# Altium PCB UltraZOhm_CarrierBoard.PcbDoc (part 6 of 12)
Units mm, origin at the board's own origin, x right, y up, seen from the top; angles counter-clockwise.
Board outline 350 x 128 mm, 6 copper layers (Top Layer, L02_GND, L03_Sig, L04_Sig, L05_VCC, Bottom Layer), stack 2.021 mm thick; 851 components, 1243 nets, 4332 pads, 2446 vias.
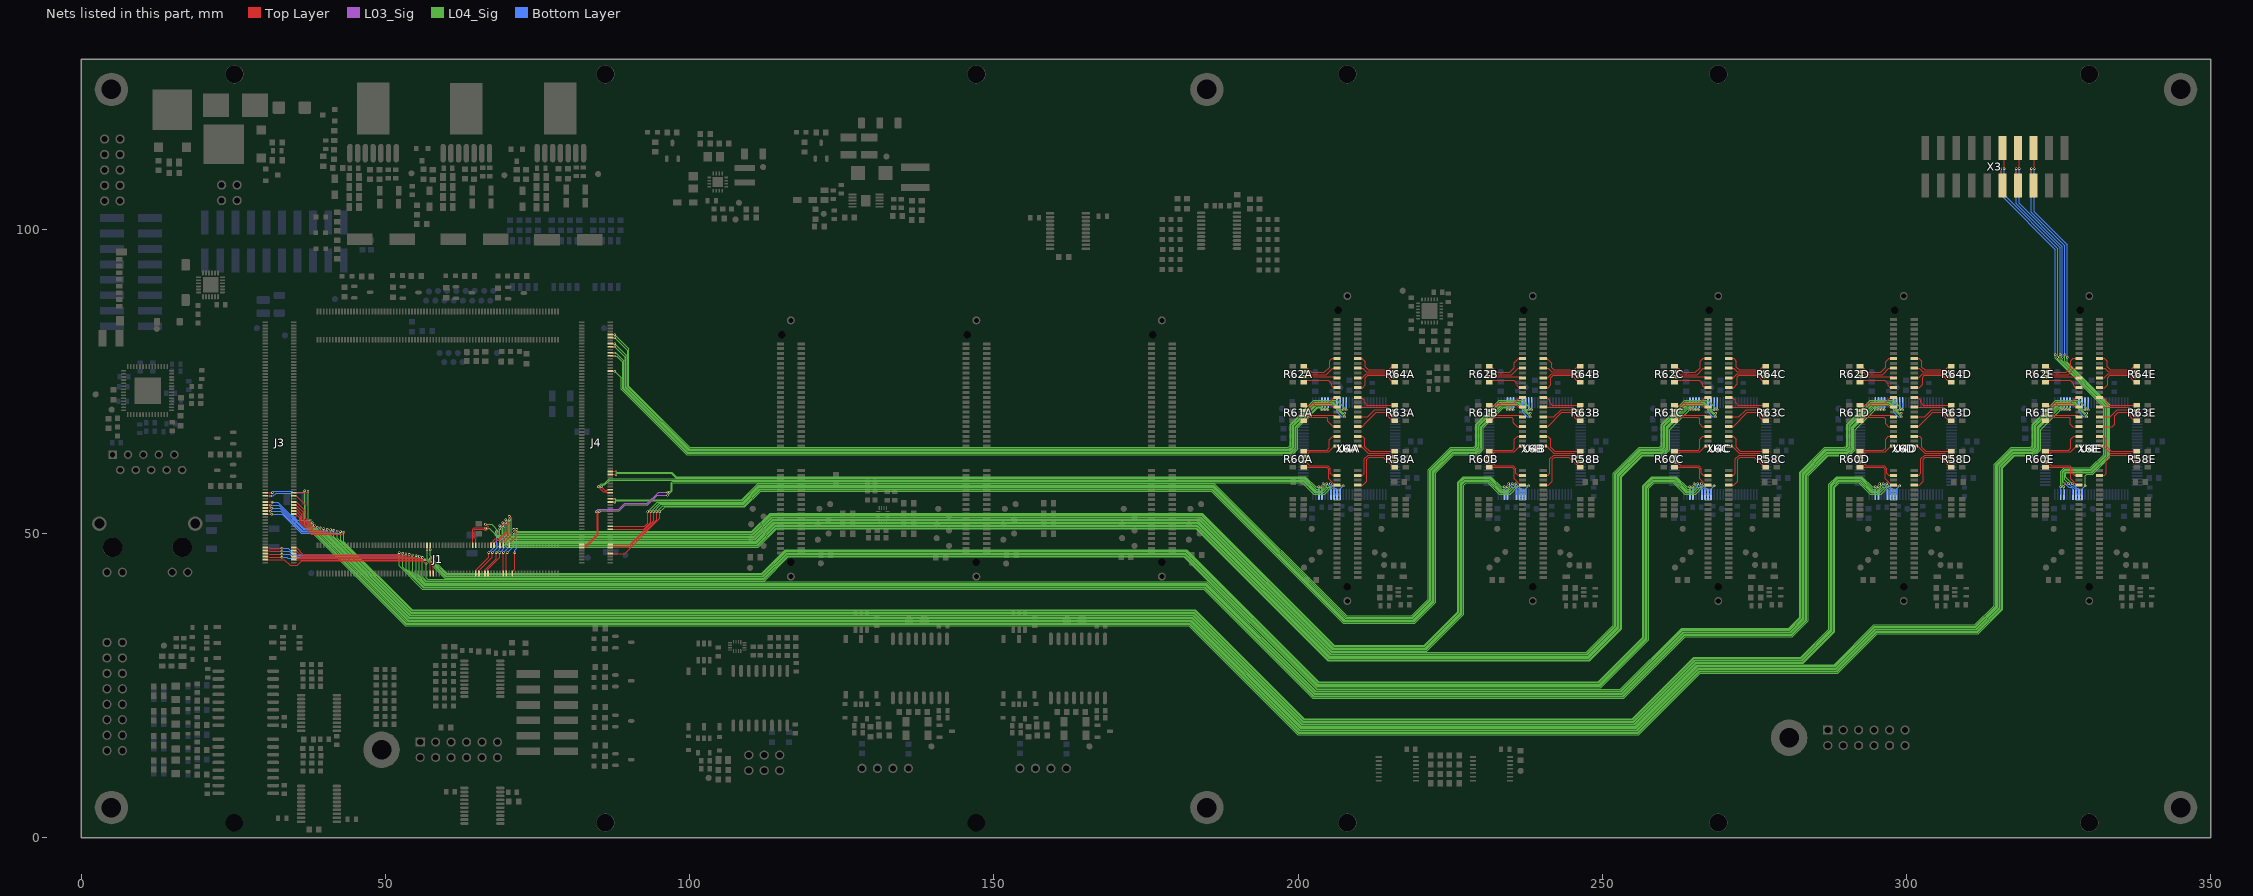
[diagram p10: the nets of this part, all layers, seen from the top]

## Via types
v1: diameter 0.4, hole 0.2, Top Layer to Bottom Layer, tented bottom, 866 vias
v2: diameter 0.4, hole 0.2, Top Layer to Bottom Layer, tented both sides, 783 vias
v3: diameter 0.6, hole 0.3, Top Layer to Bottom Layer, tented both sides, 508 vias
v4: diameter 0.6, hole 0.3, Top Layer to Bottom Layer, tented bottom, 276 vias
v5: diameter 0.5, hole 0.2, Top Layer to Bottom Layer, tented bottom, 5 vias
v6: diameter 0.5, hole 0.3, Top Layer to Bottom Layer, tented bottom, 5 vias
v7: diameter 1, hole 0.5, Top Layer to Bottom Layer, tented bottom, 2 vias
v8: diameter 0.4, hole 0.2, Top Layer to Bottom Layer, 1 vias

## Nets (pads, with @x,y where several pads share a name; then routed paths per layer and width w, separated by ;. In a path a pad name is that pad's centre, name@x,y a point inside that pad or via, vN(x,y) a via of type N, cw(c..) or ccw(c..) an arc to the next point about the centre after c; other vN are vias at no path point) (continued)
DIG_17_CH3: J1.104 U4C.28 | length 249.1
  Top Layer w0.1: J1.104@64.372,48.121 64.372,50.722 64.6,50.95 66.451,50.95 v1(66.472,50.929)
  L04_Sig w0.1: v1(66.472,50.929) 67.041,50.929 68.041,49.929 68.041,49.742 69.983,47.8 111.294,47.8 114.294,50.8 183.183,50.8 204.883,29.1 247.903,29.1 253.2,34.397 253.2,59.347 256.653,62.8 260.06,62.8 261.06,63.8 261.06,67.05 v1(264.36,70.35)
  Bottom Layer w0.1: v1(264.36,70.35) 264.36,71.531 U4C.28@264.367,71.538
DIG_17_CH4: J3.12 U4D.28 | length 313
  Top Layer w0.1: J3.12@30.287,47.736 30.323,47.7 30.9,47.7 31,47.6 v1(33,47.6)
  L04_Sig w0.1: v1@52.3,46.85 52.3,44.7 56.1,40.9 184.503,40.9 202.403,23 253.497,23 263.597,33.1 281.18,33.1 283.8,35.72 283.8,59.52 287.08,62.8 290.54,62.8 291.54,63.8 291.54,67.05 v1(294.84,70.35)
  Bottom Layer w0.1: v1(33,47.6) 34.05,47.6 35.1,46.55 52,46.55 v1@52.325,46.875 ; v1(294.84,70.35) 294.84,71.531 U4D.28@294.847,71.538
  other v1: 52.3,46.9
DIG_17_CH5: J3.48 U4E.28 | length 354
  Top Layer w0.1: J3.48@30.287,56.736 31.436,56.736 v1(31.45,56.75)
  L04_Sig w0.1: v1(36.75,57.05) 36.75,51.4 53.25,34.9 182.018,34.9 199.918,17 255.986,17 266.086,27.1 288.68,27.1 295.18,33.6 311.78,33.6 315.8,37.62 315.8,60.82 317.78,62.8 321.02,62.8 322.02,63.8 322.02,67.05 v1(325.32,70.35)
  Bottom Layer w0.1: v1(31.45,56.75) 31.65,56.95 34.6,56.95 34.75,56.8 36.5,56.8 v1(36.75,57.05) ; v1(325.32,70.35) 325.32,71.531 U4E.28@325.327,71.538
DIG_18_CH1: J4.127 U4A.29 | length 130.3
  Top Layer w0.1: J4.127@86.957,76.736 87.664,76.736 v2(87.7,76.7)
  L04_Sig w0.1: v2(87.7,76.7) 88.8,75.6 88.8,73.749 99.549,63 199,63 199.9,63.9 199.9,67.4 203.2,70.7 203.6,70.7 203.9,70.4 v1(203.9,70.35)
  Bottom Layer w0.1: v1(203.9,70.35) 203.9,71.531 U4A.29@203.907,71.538
DIG_18_CH2: J4.7 U4B.29 | length 191.9
  Top Layer w0.1: J4.7@86.957,46.736 89.336,46.736 95.1,52.5 v1(95.1,53.6)
  L04_Sig w0.1: v1(95.1,53.6) 95.8,54.3 95.9,54.4 109.097,54.4 111.697,57 185.751,57 207.451,35.3 219.197,35.3 222.6,38.703 222.6,60.008 225.592,63 229.48,63 230.38,63.9 230.38,67.4 233.68,70.7 234.08,70.7 234.38,70.4 v1(234.38,70.35)
  Bottom Layer w0.1: v1(234.38,70.35) 234.38,71.531 U4B.29@234.387,71.538
DIG_18_CH3: J1.105 U4C.29 | length 251.6
  Top Layer w0.1: J1.105@64.872,43.451 64.872,44.022 67,46.15 v1(67,46.9)
  L04_Sig w0.1: v1(68.224,50.292) 68.264,50.253 68.264,49.836 70.1,48 111.211,48 114.211,51 183.266,51 204.966,29.3 247.82,29.3 253,34.48 253,59.43 256.57,63 259.96,63 260.86,63.9 260.86,67.4 264.16,70.7 264.56,70.7 264.86,70.4 v1(264.86,70.35)
  Bottom Layer w0.1: v1(67,46.9) 68.3,48.2 68.3,50.25 68.258,50.292 v1(68.224,50.292) ; v1(264.86,70.35) 264.86,71.531 U4C.29@264.867,71.538
DIG_18_CH4: J3.11 U4D.29 | length 309.1
  Top Layer w0.1: J3.11@34.957,47.736 35.364,47.736 36.55,46.55 52.65,46.55 v1@52.875,46.775
  L04_Sig w0.1: v1@52.85,46.75 52.85,44.45 56.2,41.1 184.586,41.1 202.486,23.2 253.414,23.2 263.514,33.3 281.097,33.3 283.6,35.803 283.6,59.603 286.997,63 290.44,63 291.34,63.9 291.34,67.4 294.64,70.7 295.04,70.7 295.34,70.4 v1(295.34,70.35)
  Bottom Layer w0.1: v1(295.34,70.35) 295.34,71.531 U4D.29@295.347,71.538
  other v1: 52.85,46.8
DIG_18_CH5: J3.47 U4E.29 | length 350
  Top Layer w0.1: J3.47@34.957,56.736 34.993,56.7 37.05,56.7 v1(37.3,56.95)
  L04_Sig w0.1: v1(37.3,56.95) 37.3,51.15 40.276,48.174 53.35,35.1 182.101,35.1 200.001,17.2 255.903,17.2 266.003,27.3 288.597,27.3 295.097,33.8 311.697,33.8 315.6,37.703 315.6,60.903 317.697,63 320.92,63 321.82,63.9 321.82,67.4 325.12,70.7 325.52,70.7 325.82,70.4 v1(325.82,70.35)
  Bottom Layer w0.1: v1(325.82,70.35) 325.82,71.531 U4E.29@325.827,71.538
DIG_19_CH1: J4.137 U4A.30 | length 133.3
  Top Layer w0.1: J4.137@86.957,79.236 87.664,79.236 v2(87.7,79.2)
  L04_Sig w0.1: v2(87.7,79.2) 88,79.2 89,78.2 89,73.831 99.631,63.2 198.9,63.2 199.7,64 199.7,67.5 203.1,70.9 203.85,70.9 v1(204.4,70.35)
  Bottom Layer w0.1: v1(204.4,70.35) 204.4,71.531 U4A.30@204.407,71.538
DIG_19_CH2: J4.11 U4B.30 | length 192.2
  Top Layer w0.1: J4.11@86.957,47.736 90.036,47.736 94.6,52.3 v1(94.6,53.6)
  L04_Sig w0.1: v1(94.6,53.6) 95.3,54.3 95.6,54.6 109.014,54.6 111.614,57.2 185.834,57.2 207.534,35.5 219.114,35.5 222.4,38.786 222.4,60.091 225.509,63.2 229.38,63.2 230.18,64 230.18,67.5 233.58,70.9 234.33,70.9 v1(234.88,70.35)
  Bottom Layer w0.1: v1(234.88,70.35) 234.88,71.531 U4B.30@234.887,71.538
DIG_19_CH3: J1.106 U4C.30 | length 252.1
  Top Layer w0.1: J1.106@64.872,48.121 64.872,49.028 64.6,49.3 64.6,50.6 64.7,50.7 66.206,50.7 66.327,50.579 66.617,50.579 66.888,50.85 66.888,51.121 v1(66.446,51.562)
  L04_Sig w0.1: v1(66.446,51.562) 67.449,51.562 68.599,50.412 68.599,49.784 70.183,48.2 111.128,48.2 114.128,51.2 183.349,51.2 205.049,29.5 247.737,29.5 252.8,34.563 252.8,59.513 256.487,63.2 259.86,63.2 260.66,64 260.66,67.5 264.06,70.9 264.81,70.9 v1(265.36,70.35)
  Bottom Layer w0.1: v1(265.36,70.35) 265.36,71.531 U4C.30@265.367,71.538
DIG_19_CH4: J3.10 U4D.30 | length 314.2
  Top Layer w0.1: J3.10@30.287,47.236 30.323,47.2 30.9,47.2 31,47.1 v1(33,47.1)
  L04_Sig w0.1: v1@53.4,46.65 53.4,44.2 56.3,41.3 184.669,41.3 202.569,23.4 253.331,23.4 263.431,33.5 281.014,33.5 283.4,35.886 283.4,59.686 286.914,63.2 290.34,63.2 291.14,64 291.14,67.5 294.54,70.9 295.29,70.9 v1(295.84,70.35)
  Bottom Layer w0.1: v1(33,47.1) 34.25,47.1 35,46.35 53.1,46.35 v1@53.425,46.675 ; v1(295.84,70.35) 295.84,71.531 U4D.30@295.847,71.538
  other v1: 53.4,46.7
DIG_19_CH5: J3.46 U4E.30 | length 354.3
  Top Layer w0.1: J3.46@30.287,56.236 31.114,56.236 v2(31.15,56.2)
  L04_Sig w0.1: v1(37.65,52.25) 37.65,51.1 53.45,35.3 182.183,35.3 200.083,17.4 255.82,17.4 265.92,27.5 288.514,27.5 295.014,34 311.614,34 315.4,37.786 315.4,60.986 317.614,63.2 320.82,63.2 321.62,64 321.62,67.5 325.02,70.9 325.77,70.9 v1(326.32,70.35)
  Bottom Layer w0.1: v2(31.15,56.2) 31.6,56.2 32.06,56.66 34.338,56.66 34.6,56.398 34.6,53.2 35.55,52.25 v1(37.65,52.25) ; v1(326.32,70.35) 326.32,71.531 U4E.30@326.327,71.538
DIG_20_CH1: J4.139 U4A.31 | length 134.1
  Top Layer w0.1: J4.139@86.957,79.736 87.664,79.736 v2(87.7,79.7)
  L04_Sig w0.1: v2(87.7,79.7) 87.9,79.7 89.2,78.4 89.2,73.914 99.714,63.4 198.8,63.4 199.5,64.1 199.5,67.6 203,71.1 204.15,71.1 v2(204.9,70.35)
  Bottom Layer w0.1: v2(204.9,70.35) 204.9,71.531 U4A.31@204.907,71.538
DIG_20_CH2: J4.13 U4B.31 | length 192.8
  Top Layer w0.1: J4.13@86.957,48.236 90.236,48.236 94.1,52.1 v1(94.1,53.6)
  L04_Sig w0.1: v1(94.1,53.6) 95.3,54.8 108.931,54.8 111.531,57.4 185.917,57.4 207.617,35.7 219.031,35.7 222.2,38.869 222.2,60.174 225.426,63.4 229.28,63.4 229.98,64.1 229.98,67.6 233.48,71.1 234.63,71.1 v1(235.38,70.35)
  Bottom Layer w0.1: v1(235.38,70.35) 235.38,71.531 U4B.31@235.387,71.538
DIG_20_CH3: J1.107 U4C.31 | length 252.9
  Top Layer w0.1: J1.107@65.372,43.451 65.372,43.922 67.6,46.15 v1(67.6,46.9)
  L04_Sig w0.1: v1(68.8,50.8) 68.8,49.866 70.266,48.4 111.046,48.4 114.046,51.4 183.432,51.4 205.132,29.7 247.654,29.7 252.6,34.646 252.6,59.595 256.405,63.4 259.76,63.4 260.46,64.1 260.46,67.6 263.96,71.1 265.11,71.1 v1(265.86,70.35)
  Bottom Layer w0.1: v1(67.6,46.9) 68.8,48.1 v1(68.8,50.8) ; v1(265.86,70.35) 265.86,71.531 U4C.31@265.867,71.538
DIG_20_CH4: J3.9 U4D.31 | length 310.1
  Top Layer w0.1: J3.9@34.957,47.236 35.364,47.236 36.25,46.35 53.75,46.35 v1@53.975,46.575
  L04_Sig w0.1: v1@53.95,46.55 53.95,43.933 56.383,41.5 184.751,41.5 202.651,23.6 253.249,23.6 263.349,33.7 280.931,33.7 283.2,35.969 283.2,59.769 286.831,63.4 290.24,63.4 290.94,64.1 290.94,67.6 294.44,71.1 295.59,71.1 v1(296.34,70.35)
  Bottom Layer w0.1: v1(296.34,70.35) 296.34,71.531 U4D.31@296.347,71.538
  other v1: 53.95,46.6
DIG_20_CH5: J3.45 U4E.31 | length 348.9
  Top Layer w0.1: J3.45@34.957,56.236 35.364,56.236 36.9,54.7 36.9,52.5 37.6,51.8 v1(38,51.8)
  L04_Sig w0.1: v1(38,51.8) 38,51.05 53.55,35.5 182.266,35.5 200.166,17.6 255.738,17.6 265.838,27.7 288.431,27.7 294.931,34.2 311.531,34.2 315.2,37.869 315.2,61.069 317.531,63.4 320.72,63.4 321.42,64.1 321.42,67.6 324.92,71.1 326.07,71.1 v1(326.82,70.35)
  Bottom Layer w0.1: v1(326.82,70.35) 326.82,71.531 U4E.31@326.827,71.538
DIG_21_CH1: J4.143 U4A.34 | length 140
  Top Layer w0.1: J4.143@86.957,80.736 87.664,80.736 v2(87.7,80.7)
  L04_Sig w0.1: v2(87.7,80.7) 89.4,79 89.4,73.997 90.6,72.797 99.797,63.6 198.7,63.6 199.3,64.2 199.3,67.7 202.9,71.3 205.55,71.3 v2(207.65,69.2)
  Bottom Layer w0.1: U4A.34@206.407,71.538 206.4,71.531 206.4,69.95 207.15,69.2 v2(207.65,69.2)
DIG_21_CH2: J4.23 U4B.34 | length 197.2
  Top Layer w0.1: J4.23@86.957,50.736 92.436,50.736 93.6,51.9 v1(93.6,53.6)
  L04_Sig w0.1: v1(93.6,53.6) 94.7,54.7 95,55 108.849,55 111.449,57.6 186,57.6 207.7,35.9 218.949,35.9 222,38.951 222,60.257 225.343,63.6 229.18,63.6 229.78,64.2 229.78,67.7 233.38,71.3 236.03,71.3 v2(238.13,69.2)
  Bottom Layer w0.1: U4B.34@236.887,71.538 236.88,71.531 236.88,69.95 237.63,69.2 v2(238.13,69.2)
DIG_21_CH3: J1.111 U4C.34 | length 258.9
  Top Layer w0.1: J1.111@66.372,43.451 66.372,44.022 68.2,45.85 v1(68.2,46.9)
  L04_Sig w0.1: v1(68.8,51.3) 69.2,50.9 69.2,49.749 70.349,48.6 110.963,48.6 113.963,51.6 183.515,51.6 205.215,29.9 247.572,29.9 252.4,34.728 252.4,59.678 256.322,63.6 259.66,63.6 260.26,64.2 260.26,67.7 263.86,71.3 266.51,71.3 v2(268.61,69.2)
  Bottom Layer w0.1: v1(68.2,46.9) 69.3,48 69.3,50.8 v1(68.8,51.3) ; U4C.34@267.367,71.538 267.36,71.531 267.36,69.95 268.11,69.2 v2(268.61,69.2)
DIG_21_CH4: J3.8 U4D.34 | length 319.9
  Top Layer w0.1: J3.8@30.287,46.736 30.864,46.736 31,46.6 v1(33,46.6)
  L04_Sig w0.1: v1@54.5,46.45 54.5,43.666 56.466,41.7 184.834,41.7 202.734,23.8 253.166,23.8 263.266,33.9 280.849,33.9 283,36.051 283,59.851 286.749,63.6 290.14,63.6 290.74,64.2 290.74,67.7 294.34,71.3 296.99,71.3 v2(299.09,69.2)
  Bottom Layer w0.1: v1(33,46.6) 34.3,46.6 34.75,46.15 54.2,46.15 v1@54.525,46.475 ; U4D.34@297.847,71.538 297.84,71.531 297.84,69.95 298.59,69.2 v2(299.09,69.2)
  other v1: 54.5,46.5
DIG_21_CH5: J3.42 U4E.34 | length 357.3
  Top Layer w0.1: J3.42@30.287,55.236 31.364,55.236 v1(31.4,55.2)
  L04_Sig w0.1: v1(38.35,51.4) 38.35,51 40.6,48.75 53.65,35.7 182.349,35.7 200.249,17.8 255.655,17.8 265.755,27.9 288.349,27.9 294.849,34.4 311.449,34.4 315,37.951 315,61.151 317.449,63.6 320.62,63.6 321.22,64.2 321.22,67.7 324.82,71.3 327.47,71.3 v2(329.57,69.2)
  Bottom Layer w0.1: v1(31.4,55.2) 32.3,55.2 36.6,50.9 37.85,50.9 v1(38.35,51.4) ; U4E.34@328.327,71.538 328.32,71.531 328.32,69.95 329.07,69.2 v2(329.57,69.2)
DIG_22_CH1: J4.145 U4A.35 | length 139.1
  Top Layer w0.1: J4.145@86.957,81.236 87.664,81.236 v2(87.7,81.2)
  L04_Sig w0.1: v2(87.7,81.2) 89.6,79.3 89.6,74.08 99.88,63.8 198.6,63.8 199.1,64.3 199.1,67.8 202.8,71.5 205.633,71.5 207.333,69.8 v2(207.65,69.8)
  Bottom Layer w0.1: U4A.35@206.907,71.538 206.9,71.531 206.9,70.25 207.35,69.8 v2(207.65,69.8)
DIG_22_CH2: J4.25 U4B.35 | length 196.1
  Top Layer w0.1: J4.25@86.957,51.236 92.636,51.236 93.1,51.7 v1(93.1,53.6)
  L04_Sig w0.1: v1(93.1,53.6) 94.5,55 94.7,55.2 108.766,55.2 111.366,57.8 186.083,57.8 207.783,36.1 218.866,36.1 221.8,39.034 221.8,60.34 225.26,63.8 229.08,63.8 229.58,64.3 229.58,67.8 233.28,71.5 236.113,71.5 237.813,69.8 v2(238.13,69.8)
  Bottom Layer w0.1: U4B.35@237.387,71.538 237.38,71.531 237.38,70.25 237.83,69.8 v2(238.13,69.8)
DIG_22_CH3: J1.113 U4C.35 | length 257.4
  Top Layer w0.1: J1.113@66.872,43.451 66.872,44.172 68.8,46.1 v1(68.8,46.9)
  L04_Sig w0.1: v1(69.3,51.3) 69.4,51.2 69.4,49.831 70.431,48.8 110.88,48.8 113.88,51.8 183.598,51.8 205.298,30.1 247.489,30.1 252.2,34.811 252.2,59.761 256.239,63.8 259.56,63.8 260.06,64.3 260.06,67.8 263.76,71.5 266.593,71.5 268.293,69.8 v2(268.61,69.8)
  Bottom Layer w0.1: v1(68.8,46.9) 69.8,47.9 69.8,50.8 v1(69.3,51.3) ; U4C.35@267.867,71.538 267.86,71.531 267.86,70.25 268.31,69.8 v2(268.61,69.8)
DIG_22_CH4: J3.7 U4D.35 | length 314.1
  Top Layer w0.1: J3.7@34.957,46.736 35.364,46.736 35.95,46.15 54.85,46.15 v1@55.075,46.375
  L04_Sig w0.1: v1@55.05,46.35 55.05,43.399 56.549,41.9 184.917,41.9 202.817,24 253.083,24 263.183,34.1 280.766,34.1 282.8,36.134 282.8,59.934 286.666,63.8 290.04,63.8 290.54,64.3 290.54,67.8 294.24,71.5 297.073,71.5 298.773,69.8 v2(299.09,69.8)
  Bottom Layer w0.1: U4D.35@298.347,71.538 298.34,71.531 298.34,70.25 298.79,69.8 v2(299.09,69.8)
  other v1: 55.05,46.4
DIG_22_CH5: J3.41 U4E.35 | length 351.8
  Top Layer w0.1: J3.41@34.957,55.236 35.364,55.236 36.7,53.9 36.7,52.4 38.05,51.05 v1(38.8,51.05)
  L04_Sig w0.1: v1(38.8,51.05) 38.8,50.833 53.733,35.9 182.432,35.9 200.332,18 255.572,18 265.672,28.1 288.266,28.1 294.766,34.6 311.366,34.6 314.8,38.034 314.8,61.234 317.366,63.8 320.52,63.8 321.02,64.3 321.02,67.8 324.72,71.5 327.553,71.5 329.253,69.8 v2(329.57,69.8)
  Bottom Layer w0.1: U4E.35@328.827,71.538 328.82,71.531 328.82,70.25 329.27,69.8 v2(329.57,69.8)
DIG_23_CH1: J4.149 U4A.36 | length 138.5
  Top Layer w0.1: J4.149@86.957,82.236 87.664,82.236 v2(87.7,82.2)
  L04_Sig w0.1: v2(87.7,82.2) 89.8,80.1 89.8,74.163 91,72.963 99.963,64 198.5,64 198.9,64.4 198.9,67.9 202.7,71.7 205.716,71.7 207.066,70.35 v2(207.4,70.35)
  Bottom Layer w0.1: v2(207.4,70.35) 207.407,70.357 U4A.36@207.407,71.538
DIG_23_CH2: J4.41 U4B.36 | length 192
  Top Layer w0.1: J4.41@86.957,55.236 87.664,55.236 v2(87.7,55.2)
  L04_Sig w0.1: v2(87.7,55.2) 87.9,55.4 108.683,55.4 111.283,58 186.166,58 207.866,36.3 218.783,36.3 221.6,39.117 221.6,60.423 225.177,64 228.98,64 229.38,64.4 229.38,67.9 233.18,71.7 236.196,71.7 237.546,70.35 v2(237.88,70.35)
  Bottom Layer w0.1: v2(237.88,70.35) 237.887,70.357 U4B.36@237.887,71.538
DIG_23_CH3: J1.116 U4C.36 | length 252.2
  Top Layer w0.1: J1.116@67.372,48.121 67.372,48.472 68.05,49.15 68.6,49.15 69.8,50.35 69.8,51.3 v1(69.3,51.8)
  L04_Sig w0.1: v1(69.3,51.8) 69.6,51.5 69.7,51.4 69.7,49.814 70.514,49 110.797,49 113.797,52 183.68,52 205.38,30.3 247.406,30.3 252,34.894 252,59.844 256.156,64 259.46,64 259.86,64.4 259.86,67.9 263.66,71.7 266.676,71.7 268.026,70.35 v2(268.36,70.35)
  Bottom Layer w0.1: v2(268.36,70.35) 268.367,70.357 U4C.36@268.367,71.538
DIG_23_CH4: J3.6 U4D.36 | length 317.2
  Top Layer w0.1: J3.6@30.287,46.236 30.864,46.236 31,46.1 v1(33,46.1)
  L04_Sig w0.1: v1@55.6,46.25 55.6,43.131 56.631,42.1 185,42.1 202.9,24.2 253,24.2 263.1,34.3 280.683,34.3 282.6,36.217 282.6,60.017 286.583,64 289.94,64 290.34,64.4 290.34,67.9 294.14,71.7 297.156,71.7 298.506,70.35 v2(298.84,70.35)
  Bottom Layer w0.1: v1(33,46.1) 33.8,46.1 33.95,45.95 55.3,45.95 v1@55.625,46.275 ; v2(298.84,70.35) 298.847,70.357 U4D.36@298.847,71.538
  other v1: 55.6,46.3
DIG_23_CH5: J3.40 U4E.36 | length 354.1
  Top Layer w0.1: J3.40@30.287,54.736 31.064,54.736 v2(31.1,54.7)
  L04_Sig w0.1: v1(39.35,50.95) 39.35,50.566 53.816,36.1 182.515,36.1 200.415,18.2 255.489,18.2 265.589,28.3 288.183,28.3 294.683,34.8 311.283,34.8 314.6,38.117 314.6,61.317 317.283,64 320.42,64 320.82,64.4 320.82,67.9 324.62,71.7 327.636,71.7 328.986,70.35 v2(329.32,70.35)
  Bottom Layer w0.1: v2(31.1,54.7) 32.5,54.7 36.5,50.7 39.1,50.7 v1(39.35,50.95) ; v2(329.32,70.35) 329.327,70.357 U4E.36@329.327,71.538
DIG_24_CH1: J4.151 U4A.37 | length 139.3
  Top Layer w0.1: J4.151@86.957,82.736 87.664,82.736 v2(87.7,82.7)
  L04_Sig w0.1: v2(87.7,82.7) 90,80.4 90,74.246 100.046,64.2 198.406,64.2 198.7,64.494 198.7,68 202.6,71.9 206.35,71.9 v2(207.9,70.35)
  Bottom Layer w0.1: v2(207.9,70.35) 207.9,71.531 U4A.37@207.907,71.538
DIG_24_CH2: J4.43 U4B.37 | length 192.6
  Top Layer w0.1: J4.43@86.957,55.736 87.664,55.736 v2(87.7,55.7)
  L04_Sig w0.1: v2(87.7,55.7) 87.8,55.6 108.6,55.6 111.2,58.2 186.249,58.2 207.949,36.5 218.7,36.5 221.4,39.2 221.4,60.505 225.095,64.2 228.886,64.2 229.18,64.494 229.18,68 233.08,71.9 236.83,71.9 v2(238.38,70.35)
  Bottom Layer w0.1: v2(238.38,70.35) 238.38,71.531 U4B.37@238.387,71.538
DIG_24_CH3: J1.118 U4C.37 | length 252.1
  Top Layer w0.1: J1.118@67.872,48.121 67.872,48.472 68.3,48.9 68.75,48.9 70.15,50.3 70.15,51.45 v1(69.8,51.8)
  L04_Sig w0.1: v1(69.8,51.8) 69.9,51.7 69.9,49.9 70.6,49.2 110.714,49.2 113.714,52.2 183.763,52.2 205.463,30.5 247.323,30.5 251.8,34.977 251.8,59.927 256.073,64.2 259.366,64.2 259.66,64.494 259.66,68 263.56,71.9 267.31,71.9 v2(268.86,70.35)
  Bottom Layer w0.1: v2(268.86,70.35) 268.86,71.531 U4C.37@268.867,71.538
DIG_24_CH4: J3.5 U4D.37 | length 316.2
  Top Layer w0.1: J3.5@34.957,46.236 35.267,46.236 35.553,45.95 55.95,45.95 56.1,46.1 v1(56.1,46.107)
  L04_Sig w0.1: v1(56.1,46.107) 56.1,42.914 56.714,42.3 112.346,42.3 116.246,46.2 181.223,46.2 203.023,24.4 252.917,24.4 263.017,34.5 280.6,34.5 282.4,36.3 282.4,60.1 286.5,64.2 289.846,64.2 290.14,64.494 290.14,68 294.04,71.9 297.79,71.9 v2(299.34,70.35)
  Bottom Layer w0.1: v2(299.34,70.35) 299.34,71.531 U4D.37@299.347,71.538
DIG_24_CH5: J3.39 U4E.37 | length 350.8
  Top Layer w0.1: J3.39@34.957,54.736 35.267,54.736 36.5,53.503 36.5,52.3 38.25,50.55 39.6,50.55 v1(39.9,50.85)
  L04_Sig w0.1: v1(39.9,50.85) 39.9,50.299 53.899,36.3 182.598,36.3 200.498,18.4 255.406,18.4 265.506,28.5 288.1,28.5 294.6,35 311.2,35 314.4,38.2 314.4,61.4 317.2,64.2 320.326,64.2 320.62,64.494 320.62,68 324.52,71.9 328.27,71.9 v2(329.82,70.35)
  Bottom Layer w0.1: v2(329.82,70.35) 329.82,71.531 U4E.37@329.827,71.538
DIG_25_CH1: J4.12 U4A.91 | length 135.3
  Top Layer w0.1: J4.12@82.287,47.736 82.802,47.736 82.942,47.876 83.091,47.876 85.02,49.805 85.02,53.45 v1(85.17,53.6)
  L03_Sig w0.1: v1(85.17,53.6) 85.335,53.765 88.465,53.765 89.46,54.76 93.143,54.76 94.72,56.337 v1(96.368,56.337)
  L04_Sig w0.1: v1(96.368,56.337) 96.422,56.337 97.152,57.067 97.152,58.252 97.3,58.4 200.7,58.4 202.6,56.5 204.35,56.5 205.7,57.85 v2(207.4,57.85)
  Bottom Layer w0.1: U4A.91@206.907,56.438 206.907,57.357 v2(207.4,57.85)
DIG_25_CH2: J1.122 U4B.91 | length 212.6
  Top Layer w0.1: J1.122@68.872,48.121 68.872,48.522 70.35,50 70.35,51.75 v1(69.8,52.3)
  L04_Sig w0.1: v1(69.8,52.3) 70.2,51.9 70.2,49.883 70.683,49.4 110.631,49.4 113.631,52.4 183.846,52.4 205.546,30.7 221.102,30.7 227.2,36.798 227.2,58 227.6,58.4 231.18,58.4 233.08,56.5 234.83,56.5 236.18,57.85 v2(237.88,57.85)
  Bottom Layer w0.1: U4B.91@237.387,56.438 237.387,57.357 v2(237.88,57.85)
DIG_25_CH3: J3.4 U4C.91 | length 283.5
  Top Layer w0.1: J3.4@30.287,45.736 33.414,45.736 34.35,44.8 35.5,44.8 36.236,45.536 56.164,45.536 56.4,45.3 56.6,45.1 v1(56.7,45.1)
  L04_Sig w0.1: v1(56.7,45.1) 56.7,42.8 57,42.5 112.263,42.5 116.163,46.4 181.306,46.4 203.006,24.7 249.725,24.7 257.6,32.575 257.6,57.5 258.5,58.4 261.66,58.4 263.56,56.5 265.31,56.5 266.66,57.85 v2(268.36,57.85)
  Bottom Layer w0.1: U4C.91@267.867,56.438 267.867,57.357 v2(268.36,57.85)
DIG_25_CH4: J3.38 U4D.91 | length 317.3
  Top Layer w0.1: J3.38@30.287,54.236 31.314,54.236 v1(31.35,54.2)
  L04_Sig w0.1: v1(40.45,50.75) 40.45,50.031 53.981,36.5 182.68,36.5 200.58,18.6 255.32,18.6 265.42,28.7 283.002,28.7 288.2,33.898 288.2,57.675 288.925,58.4 292.14,58.4 294.04,56.5 295.79,56.5 297.14,57.85 v2(298.84,57.85)
  Bottom Layer w0.1: v1(31.35,54.2) 32.65,54.2 36.35,50.5 40.2,50.5 v1(40.45,50.75) ; U4D.91@298.347,56.438 298.347,57.357 v2(298.84,57.85)
DIG_25_CH5: U4E.91 X3.8 | length 64.7
  Top Layer w0.1: X3.8@320.837,113.41 321,113.247 v1(321,110)
  L04_Sig w0.1: v1(326.4,79) 326.4,78.211 333.4,71.211 333.4,62.589 330.611,59.8 329.6,59.8 329.32,59.52 v2(329.32,57.85)
  Bottom Layer w0.1: v1(321,110) 321,102.922 326.4,97.522 v1(326.4,79) ; U4E.91@328.827,56.438 328.827,57.357 v2(329.32,57.85)
DIG_26_CH1: J4.14 U4A.92 | length 134.4
  Top Layer w0.1: J4.14@82.287,48.236 82.802,48.236 82.942,48.096 83,48.096 84.8,49.896 84.8,53.45 v1(84.65,53.6)
  L03_Sig w0.1: v1(84.65,53.6) 84.65,53.603 85.032,53.985 88.374,53.985 89.369,54.98 93.08,54.98 94.945,56.845 v1(96.393,56.845)
  L04_Sig w0.1: v1(96.393,56.845) 96.418,56.871 96.672,56.871 96.952,57.15 96.952,58.335 97.217,58.6 200.8,58.6 202.7,56.7 204.1,56.7 205.3,57.9 v2(205.3,58.2)
  Bottom Layer w0.1: v2(205.3,58.2) 206,57.5 206.2,57.5 206.407,57.293 U4A.92@206.407,56.438
DIG_26_CH2: J1.123 U4B.92 | length 215.2
  Top Layer w0.1: J1.123@69.372,43.451 69.372,46.872 v1(69.4,46.9)
  L04_Sig w0.1: v1(70.35,52.3) 70.4,52.25 70.4,49.966 70.766,49.6 110.549,49.6 113.549,52.6 183.929,52.6 205.629,30.9 221.02,30.9 227,36.88 227,58.1 227.5,58.6 231.28,58.6 233.18,56.7 234.58,56.7 235.78,57.9 v2(235.78,58.2)
  Bottom Layer w0.1: v1(69.4,46.9) 70.35,47.85 v1(70.35,52.3) ; v2(235.78,58.2) 236.48,57.5 236.68,57.5 236.887,57.293 U4B.92@236.887,56.438
DIG_26_CH3: J3.3 U4C.92 | length 275.7
  Top Layer w0.1: J3.3@34.957,45.736 56.464,45.736 v1(56.5,45.7)
  L04_Sig w0.1: v1(56.5,45.7) 56.65,45.7 56.7,45.75 57.125,45.325 59.75,42.7 112.18,42.7 116.08,46.6 181.389,46.6 203.089,24.9 249.643,24.9 257.4,32.657 257.4,57.583 258.417,58.6 261.76,58.6 263.66,56.7 265.06,56.7 266.26,57.9 v2(266.26,58.2)
  Bottom Layer w0.1: v2(266.26,58.2) 266.96,57.5 267.16,57.5 267.367,57.293 U4C.92@267.367,56.438
DIG_26_CH4: J3.37 U4D.92 | length 312.2
  Top Layer w0.1: J3.37@34.957,54.236 35.267,54.236 36.3,53.203 36.3,52.2 38.15,50.35 40.7,50.35 v1(41,50.65)
  L04_Sig w0.1: v1(41,50.65) 41,49.764 54.064,36.7 182.763,36.7 200.663,18.8 255.237,18.8 265.337,28.9 282.92,28.9 288,33.98 288,57.757 288.843,58.6 292.24,58.6 294.14,56.7 295.54,56.7 296.74,57.9 v2(296.74,58.2)
  Bottom Layer w0.1: v2(296.74,58.2) 297.44,57.5 297.64,57.5 297.847,57.293 U4D.92@297.847,56.438
DIG_26_CH5: U4E.92 X3.18 | length 68.2
  Top Layer w0.1: v1(320.5,110) 320.5,107.524 X3.18@320.837,107.187
  L04_Sig w0.1: v1(325.999,79.4) 325.999,78.329 333.2,71.128 333.2,62.672 330.528,60 326.231,60 326.15,59.919 326.15,59.27 v2(327.22,58.2)